# Altium PCB SmartHaloV1.PcbDoc (part 2 of 4)
Units mil, origin at the board's own origin, x right, y up, seen from the top; angles counter-clockwise.
Board outline 3022.28 x 2564.81 mil, 4 copper layers (Top Layer, Ground Plane, Power Plane, Bottom Layer), stack 59.692 mil thick; 370 components, 182 nets, 935 pads, 581 vias.
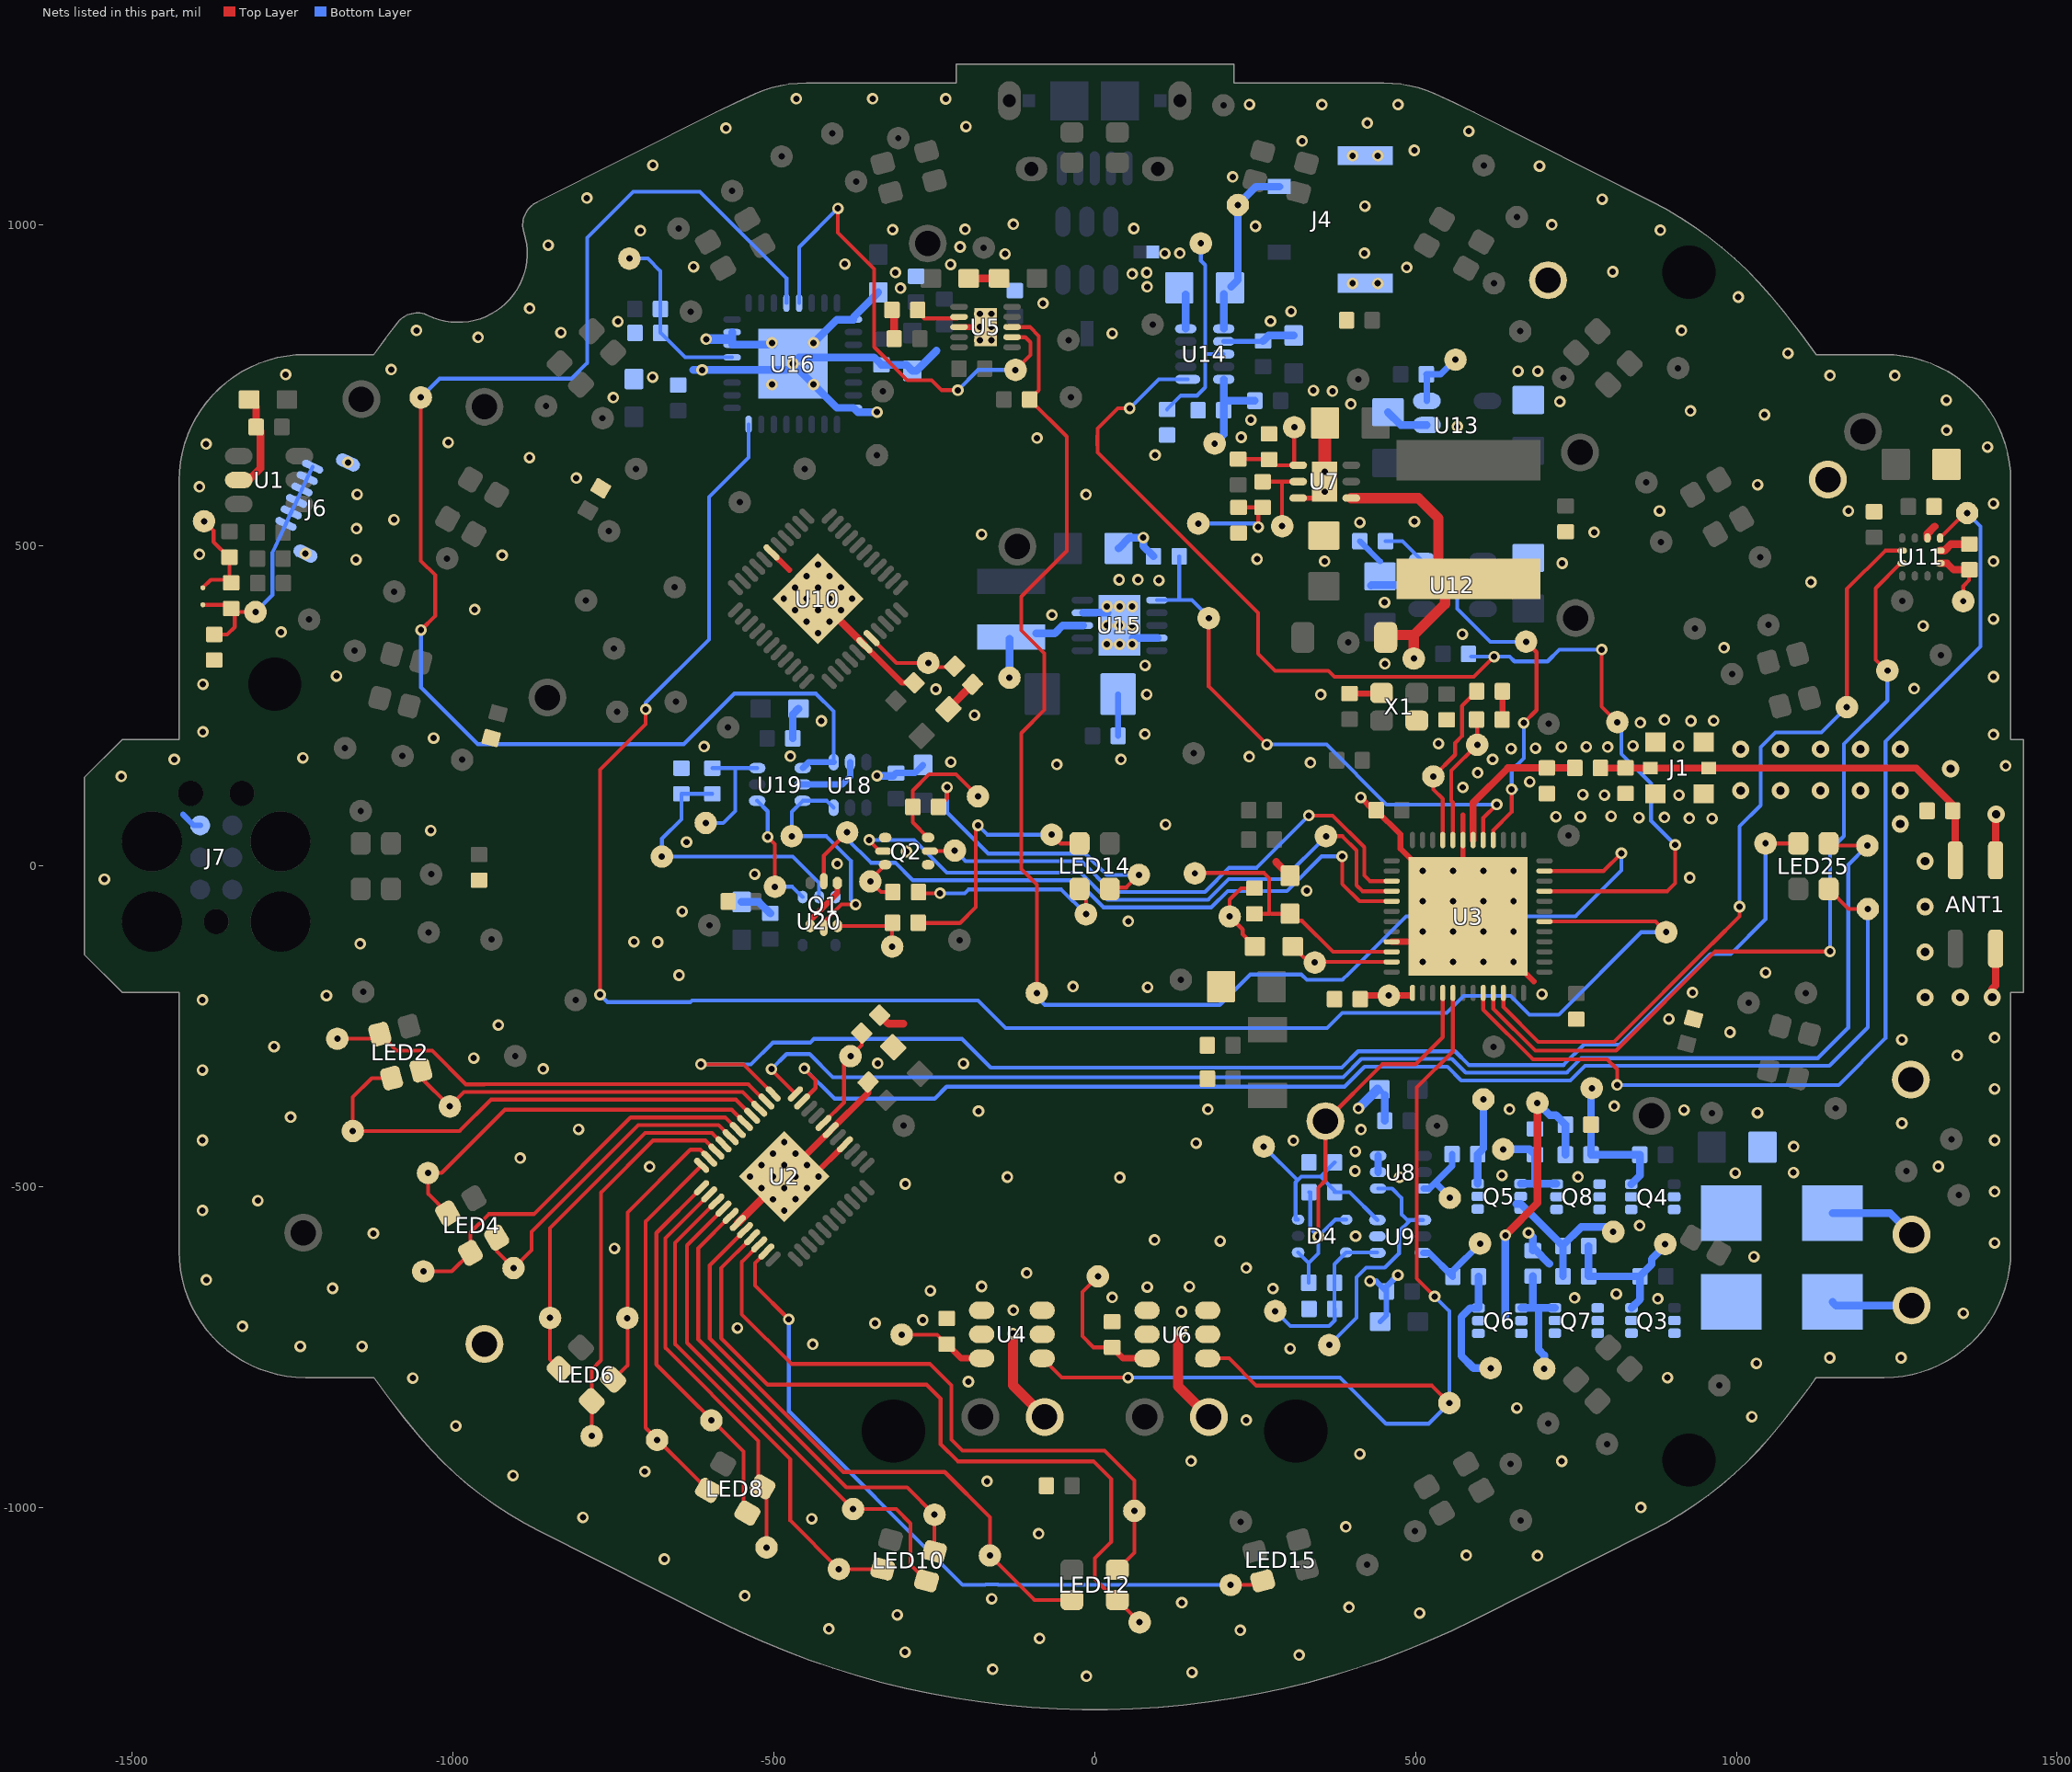
[diagram p4: the nets of this part, all layers, seen from the top]

## Footprints (in the part's own frame and the unit in brackets; to place one, negate y for a bottom-side part, rotate by r counter-clockwise, add the part's x,y. Pads: shape width x height; smd on the part's side, far side on the other; paste and mask are expansions set on the pad) (continued)
Varitron_CAP0603 [mil] "Capacitor 0603(1608), max 1mm height"
  rrect17% 32x29 smd: 1(-29.5,0) 2(29.5,0)
  body extent -33,-19 33,19, height 39
VARITRON_CAP0603 [mil] "Capacitor 0603(1608), max 1mm height"
  rrect17% 32x29 smd: 1(-29.5,0) 2(29.5,0)
  body extent -33,-19 33,19, height 39
VARITRON_CAP0805 [mil] "Capacitor 0805(2012), max 1mm height"
  rrect11% 44x49 smd: 1(-39.5,0) 2(39.5,0)
  body extent -43,-27 43,27, height 39
Varitron_CAP0805 [mil] "Capacitor 0805(2012), max 1mm height"
  rrect11% 44x49 smd: 1(-39.5,0) 2(39.5,0)
  body extent -43,-27 43,27, height 39
Varitron_CAP1206 [mil] "Capacitor 1206(3216), max 1mm height"
  rrect9% 55x65 smd: 1(-59,0) 2(59,0)
  body extent -66,-34 66,34, height 39
VARITRON_IND0402 [mil] "Inductor 0402(1005), max 1mm height"
  rrect21% 24x26 smd: 1(-20,0) 2(20,0)
  body extent -21,-11 21,11, height 39
VARITRON_IND0603 [mil] "Inductor 0603(1608), max 1mm height"
  rrect17% 32x29 smd: 1(-29.5,0) 2(29.5,0)
  body extent -33,-19 33,19, height 39
VARITRON_RES0402 [mil] "Resistor 0402(1005), max 1mm height"
  rrect21% 24x26 smd: 1(-20,0) 2(20,0)
  body extent -21,-11 21,11, height 39
Varitron_RES0402 [mil] "Resistor 0402(1005), max 1mm height"
  rrect21% 24x26 smd: 1(-20,0) 2(20,0)
  body extent -21,-11 21,11, height 39
Varitron_RES0805 [mil] "Resistor 0805(2012), max 1mm height"
  rrect11% 44x49 smd: 1(-39.5,0) 2(39.5,0)
  body extent -43,-27 43,27, height 39

## Part data
ANT1: "CHIP ANTENNA, 2.45GHz, 5 x 2 x 1.5 mm body"
C1 C5 C6 C7 C16 C17: library part Varitron_CAP0402, "C nF V TEMP TOL% 0402 (1005 Metric)  SMD"
C2 C15 C18 C29 C36 C40 C50 C57 C66 C68 C70: library part Varitron_CAP0603, "1.0 uF 16V X7R 10% 0603 (1608 Metric)  SMD"
C3 C8 C9 C10 C12 C21 C22 C25 C27 C33 C37 C38 C41 C42 C43 C45 C51 C55 C58 C59 C65 C67 C69: library part Varitron_CAP0402, "100 nF 16V X7R 10% 0402 (1005 Metric)  SMD"
C4: library part Varitron_CAP0402, "10.0 nF 25V X7R 5% 0402 (1005 Metric)  SMD"
C11: library part Varitron_CAP0402, "1.2 pF 50V NP0 ±0.1 pF 0402 (1005 Metric)  SMD"
C13: library part Varitron_CAP0402, "100 pF 50V NP0 5% 0402 (1005 Metric)  SMD"
C14 C19 C31 C32: library part Varitron_CAP0402, "12 pF 50V NP0 2% 0402 (1005 Metric)  SMD"
C20: library part Varitron_CAP0402, "0.8 pF 50V NP0 ±0.05pF 0402 (1005 Metric)  SMD"
C23 C26 C56 C60: library part Varitron_CAP0603, "4.7 uF 10V X5R 10% 0603 (1608 Metric)  SMD"
C24 C30 C34 C71: library part Varitron_CAP0805, "4.7 uF 50V X5R 10% 0805 (2012 Metric)  SMD"
C28: library part Varitron_CAP0402, "680 pF 50V X7R 5% 0402 (1005 Metric)  SMD"
C35 C39: library part Varitron_CAP0402, "1 nF 10V X7R 10% 0402 (1005 Metric)  SMD"
C44 C47 C48 C49 C52 C54: library part Varitron_CAP0805, "10 uF 10V X7R 10% 0805 (2012 Metric)  SMD"
C46 C61 C64: library part Varitron_CAP0402, "220 nF 10V X7R 10% 0402 (1005 Metric)  SMD"
C53: library part Varitron_CAP1206, "47 uF 10V X5R 10% 1206 (3216 Metric)  SMD"
C62 C63: library part Varitron_CAP0402, "220 pF 50V X7R 10% 0402 (1005 Metric)  SMD"
D1 D2: "Cree 5mm Round LED C503D-WAN-CDaEa232-0AH"
D3: "Schottky Power Rectifier, 2-Pin SOD-123, Pb-Free, Tape and Reel"
D4: "High Voltage Switching Diode"
J1: library part Coaxial-Internal-SW, "Coaxial Connector with Switch"
J2 J3: "Connector, Single Horizontal Contact, 2 x 2 mm"
J4: "Connector, 1.3 mm pitch"
J5: "Micro USB B Type Receptacle"
J6: "Connector, FPC, 0.5 mm pitch, 6 contacts"
J7: library part JLINK_6PIN_NEEDLE_ADAPTER, "JLink 6 Pin Needle Adapter for Flasher ARM Programmer"
L1: library part Varitron_IND0402, "3.9 nH ±0.1 nH, 170 mA, 0402 (1005 Metric)  SMD"
L2: library part Varitron_IND0402, "15 nH 5%, 320 mA, 0402 (1005 Metric)  SMD"
L3: library part Varitron_IND0603, "10 uH 20%, 400 mA, 0603 (1608 Metric)  SMD"
L4: library part SRN5020-100M, "Inductor, 10 uH, 20%, 144 mOhm DCR, 1.3A"
L5: library part SRN3015-2R2M, "Inductor, 2.2 uH, 20%, 72 mOhm DCR, 1.65A"
LED1 LED2 LED3 LED4 LED5 LED6 LED7 LED8 LED9 LED10 LED11 LED12 LED13 LED14 LED15 LED16 LED17 LED18 LED19 LED20 LED21 LED22 LED23 LED24 LED25: "LED SMD LTSN-N213EGBW"
Q1 Q2: "30 V, 200 mA dual N-channel Trench MOSFET"
Q3 Q4: "PNP SMT Transistor, Low VCESAT"
Q5 Q6 Q7 Q8: "NPN SMT Transistor, Low VCESAT"
R1: library part Varitron_RES0402, "2k 0.063W 5%  0402 (1005 Metric)  SMD"
R2 R23: library part Varitron_RES0402, "3k9 0.063W 5%  0402 (1005 Metric)  SMD"
R3 R12: library part Varitron_RES0402, "100R 0.1W 5%  0402 (1005 Metric)  SMD"
R4 R6 R17 R26 R28 R29 R30 R31: library part Varitron_RES0402, "100k 0.063W 5%  0402 (1005 Metric)  SMD"
R5 R21 R22 R25 R42 R43: library part Varitron_RES0402, "3k3 0.063W 5%  0402 (1005 Metric)  SMD"
R7: library part Varitron_RES0402, "160R 0.1W 5%  0402 (1005 Metric)  SMD"
R8: library part Varitron_RES0402, "560R 0.063W 5%  0402 (1005 Metric)  SMD"
R9 R34 R38: library part Varitron_RES0402, "1k 0.063W 5%  0402 (1005 Metric)  SMD"
R10 R13 R19 R32 R40 R41: library part Varitron_RES0402, "10k 0.063W 5%  0402 (1005 Metric)  SMD"
R11 R14: library part Varitron_RES0402, "110R 0.1W 5%  0402 (1005 Metric)  SMD"
R15: library part Varitron_RES0402, "510k 0.063W 5%  0402 (1005 Metric)  SMD"
R16 R20: library part Varitron_RES0402, "4k7 0.063W 5%  0402 (1005 Metric)  SMD"
R18: library part Varitron_RES0402, "33k 0.063W 5%  0402 (1005 Metric)  SMD"
R24 R27: library part Varitron_RES0402, "1k8 0.063W 5%  0402 (1005 Metric)  SMD"
R33 R36 R37 R39: library part Varitron_RES0402, "12k 0.063W 5%  0402 (1005 Metric)  SMD"
R35: library part Varitron_RES0402, "75k 0.063W 5%  0402 (1005 Metric)  SMD"
RSENSE1: library part Varitron_RES0805, "0R01 0.25W 1%  0805 (2012 Metric)  SMD"
RT1: "Thermistor NTC 0402, R0 10k, 1%, B 3490, SMD"
SB1: library part SOLDERBRIDGE_SHORTED, "Shorted Solderbridge"
TP1 TP4 TP12 TP13 TP14 TP15 TP17 TP20: library part TESTPAD_TH_35mils, "Testpoint, through hole, 35 mils"
TP2 TP3 TP5 TP6 TP7 TP8 TP9 TP10 TP11 TP16 TP18 TP19: library part TESTPAD_TH_1_5MM, "Testpoint, through hole, 1.5mm"
TP21 TP100 TP125 TP139 TP140: "Testpoint, through hole, 1.5mm"
TP22 TP23 TP24 TP25 TP26 TP27 TP28 TP29 TP30 TP31 TP32 TP33 TP34 TP35 TP36 TP37 TP38 TP39 TP40 TP41 TP42 TP43 TP44 TP45 TP46 TP47 TP48 TP49 TP50 TP51 TP52 TP53 TP54 TP55 TP56 TP57 TP58 TP59 TP60 TP61 TP62 TP63 TP64 TP65 TP66 TP67 TP68 TP69 TP70 TP71 TP72 TP73 TP74 TP75 TP76 TP77 TP78 TP79 TP80 TP81 TP82 TP83 TP84 TP85 TP86 TP87 TP88 TP89 TP90 TP91 TP92 TP93 TP94 TP95 TP96 TP97 TP98 TP99 TP101 TP102 TP103 TP104 TP105 TP106 TP107 TP108 TP109 TP110 TP111 TP112 TP113 TP114 TP115 TP116 TP117 TP118 TP119 TP120 TP121 TP122 TP123 TP124 TP126 TP127 TP128 TP129 TP130 TP131 TP132 TP133 TP134 TP135 TP136 TP137 TP138 TP141 TP142 TP143 TP144 TP145 TP146 TP147 TP148 TP149 TP150 TP151 TP152 TP153 TP154 TP155 TP156 TP157 TP158 TP159 TP160 TP161 TP162 TP163 TP164 TP165 TP166 TP167 TP168 TP169 TP170 TP171 TP172 TP173 TP174 TP175 TP176 TP177 TP178 TP179: "Testpoint, through hole, 35 mils"
U1: "One-channel Touch Sensor IC with Reset Timer, -40° to +85° C, 6-pin SOT23"
U2 U10: "IC 36 CHANNELS LED DRIVER"
U3: library part nRF52832_QFAA, "Multi-protocol Bluetooth Low Energy and 2.4GHz proprietary system-on-chip"
U4 U6: "10-TO-150MA CONSTANT-CURRENT LED DRIVER"
U5: "800 mA, Single-Input, Single Cell Li-Ion Battery Charger with Auto Start. Vovp=6.6 V, 3.5 V, -40 to 85 degC, 10-pin SON (DSQ), Green (RoHS & no Sb/Br)"
U7: "Boost Voltage Converter with 3 to 18 V Input and 3 to 38 V Output, -40 to 85 degC, 6-Pin SON (DRC), Green (RoHS & no Sb/Br)"
U8 U18 U19: "Dual Inverter Gate"
U9: "IC Dual Inverter with Schmitt Trigger Inputs"
U11: "IC 3D Accelerometer and 3D Magnetometer, LGA-12, 2 x 2 x 1 mm"
U12 U13: "200 mA Low Dropout Regulator, 2 - 5.5V Input, Fixed 2.8V Output"
U14: "IC Battery Fuel Gauge for 1-Cell Lithium-ion (Li+)"
U15: "Boost Voltage Converter with 0.3 to 5.5 V Input and 5 V Output, -40 to 85 degC, 10-Pin SON (DRC), Green (RoHS & no Sb/Br)"
U16: "IC USB TO UART BRIDGE 32QFN"
U17: "Very low capacitance ESD protection"
U20: "IC Gate NAND 1 Channel"
X1: "XTAL 32 MHz, 8pF, 3.2 x 1.5 mm, ±20 ppm Tol, ±200 ppm Drift"
X2: "XTAL 32.768 kHz, 9pF, 3.2 x 1.5 mm, ±20 ppm Tol, ±200 ppm Drift"

## Free pads (board coordinates)
  round 0 hole 82.68 unplated paste+0 mask+0: 0(-1277.49,283.53) 0(926.06,-925.55) 0(926.06,925.75)
  round 0 hole 98.43 square unplated: 0(-313.58,-880.31) 0(313.58,-880.24)

## Via types
v1: diameter 18, hole 10, Top Layer to Bottom Layer, 557 vias
v2: diameter 27, hole 13, Top Layer to Bottom Layer, 24 vias

## Nets (pads, with @x,y where several pads share a name; then routed paths per layer and width w, separated by ;. In a path a pad name is that pad's centre, name@x,y a point inside that pad or via, vN(x,y) a via of type N, cw(c..) or ccw(c..) an arc to the next point about the centre after c; other vN are vias at no path point)
ALARMB: R30.1 TP163.1 U3.21 U14.1 | length 1866.8
  Top Layer w6: v1(54.7,713.6) 36.3,713.6 4.7,682 4.7,671.06 4.4,670.76 4.4,655.84 4.7,655.54 4.7,644.7 254.6,394.8 254.6,331.2 281.2,304.6 364.1,304.6 373.8,294.9 590.8,294.9 v1(622.4,326.5) ; U3.21@700.99,-39.03 892.37,-39.03 904.7,-26.7 v1(904.7,33.2) ; v1@791.1,333.8 794.8,337.5 v1(790.1,337.5) 790.1,248.8 TP163.1@814.5,224.4
  Bottom Layer w6: v1(54.7,713.6) 99.86,758.76 U14.1@145,758.76 ; R30.1@586.9,326.5 v1(622.4,326.5) 646.9,326.5 654.2,319.2 705.8,319.2 724.1,337.5 v1(790.1,337.5) ; TP163.1@814.5,224.4 820.8,218.1 820.8,175 867.1,128.7 867.1,70.8 v1(904.7,33.2)
ANT: ANT1.1 C11.2 C17.2 J1.1 J1.3 L1.2 | length 660.7
  Top Layer w11.21: L1.2@788.3,153 J1.1@865.73,153 J1.3@957.07,153 ; J1.3@957.07,152.8 1280.08,152.8 1341.1,91.78 ANT1.1@1341.1,9.2
B\C\D\0\: Q1.2 TP114.1 U18.6 U19.3 | length 363.8
  Top Layer w6: Q1.2@-422.1,-96.12 -422.1,-87.4 -394.4,-59.7 v1(-372.6,-59.7)
  Bottom Layer w6: U18.6@-406.63,91.2 -417.33,101.9 U19.3@-454.9,101.9 -472,84.8 TP114.1@-472,46.7 -418.1,46.7 -379.9,8.5 -379.9,-52.4 v1(-372.6,-59.7)
BCD0: TP86.1 U16.12 U18.1 U19.1 | length 2237.2
  Top Layer w6: TP86.1@-1050.1,730.5 -1050.1,475.9 -1027.5,453.3 -1027.5,390.2 v1(-1049.8,367.9)
  Bottom Layer w6: TP86.1@-1050.1,730.5 -1020.7,759.9 -815.4,759.9 -790.98,784.32 -790.98,979.42 -719.1,1051.3 -615.2,1051.3 -480.24,916.34 U16.12@-480.24,877.59 ; v1(-1049.8,367.9) -1049.8,278.7 -961.3,190.2 -640.1,190.2 -561.3,269 -434.4,269 -406.63,241.23 U18.1@-406.63,162.2
  Bottom Layer w10: U19.1@-454.9,152.9 -445.6,162.2 U18.1@-406.63,162.2
BCD1: TP148.1 U5.7 U16.13 | length 757.7
  Top Layer w6: v1(-400.1,1025.2) -400.1,987.3 -343.5,930.7 -343.5,809.2 -291.8,757.5 -254.03,757.5 -238.33,741.8 v1(-213.2,741.8) ; U5.7@-128.66,824.45 -108.15,824.45 -100.2,816.5 -100.2,796.6 TP148.1@-123.4,773.4
  Bottom Layer w6: U16.13@-460.56,877.59 -460.56,964.74 v1(-400.1,1025.2) ; v1(-213.2,741.8) -181.6,773.4 -138.2,773.4 TP148.1@-127.7,783.9
BUS_DETECT: R36.1 R37.1 TP151.1 U16.5 | length 280.2
  Bottom Layer w6: TP151.1@-725,947 -696.3,947 -676.7,927.4 R36.1@-676.7,868.3 -676.7,831.4 R37.1@-676.3,831 -638.24,792.94 U16.5@-564.89,792.94
BZ_OUT_N: J2.1 Q3.1 Q3.2 Q3.5 Q3.6 Q7.1 Q7.2 Q7.5 Q7.6 TP140.1 | length 125.6
  Bottom Layer w12: J2.1@1149.84,-679.2 1155.54,-684.9 TP140.1@1273.1,-684.9
BZ_OUT_P: J3.1 Q4.1 Q4.2 Q4.5 Q4.6 Q8.1 Q8.2 Q8.5 Q8.6 TP139.1 | length 137
  Bottom Layer w12: J3.1@1149.84,-541 1239.9,-541 TP139.1@1273.1,-574.2
BZR: D4.1 D4.4 R24.2 R27.2 TP125.1 U3.4 | length 722.5
  Top Layer w6: v1(348.6,-577.2) 348.6,-501 359.7,-489.9 TP125.1@359.7,-397.4 448.4,-308.7 500.1,-308.7 542.53,-266.27 U3.4@542.53,-197.49
  Bottom Layer w6: D4.1@317.11,-602.04 333.62,-618.55 ; R27.2@333.62,-649.26 333.62,-618.55 ; R24.2@334.1,-508 335.95,-508 335.95,-564.55 v1(348.6,-577.2) ; D4.4@391.91,-550.85 374.94,-550.85 v1(348.6,-577.2) ; 333.62,-618.55 348.6,-603.58 v1(348.6,-577.2)
BZR_D_N: R40.2 TP130.1 U8.6 | length 110.1
  Bottom Layer w6: TP130.1@553.5,-516.9 TP130.1@553.5,-515.63
  Bottom Layer w10: U8.6@512.81,-502.37 521.63,-502.37 557,-467 R40.2@557,-448.9 ; 530.93,-493.07 TP130.1@553.5,-515.63
BZR_D_P: R41.2 TP128.1 U9.6 | length 131
  Bottom Layer w10: U9.6@511.65,-602.52 521.02,-602.52 R41.2@558.2,-639.7 558.2,-630.6 TP128.1@600.6,-588.2
C\H\G\: R13.2 TP150.1 U3.23 U5.8 | length 2347
  Top Layer w6: U5.8@-128.66,840.2 -100.9,840.2 -87,826.3 -87,741.8 R13.2@-101.4,727.4 -43.6,669.6 -43.6,491.1 -114.5,420.2 -114.5,367.6 -78.4,331.5 -78.4,243.4 -114.5,207.3 -114.5,-4.3 -90.1,-28.7 TP150.1@-90.1,-197.8 ; U3.23@700.99,-7.53 793.17,-7.53 v1(820.8,20.1)
  Bottom Layer w6: TP150.1@-96,-197.8 -77.6,-216.2 194.93,-216.2 242.33,-168.8 322.23,-168.8 330.63,-177.2 386.14,-177.2 396.46,-166.88 396.69,-166.88 485.47,-78.1 749.39,-78.1 820.8,-6.69 v1(820.8,20.1)
CAPIN: C1.1 C7.1 J6.1 J6.2 J6.3 J6.4 J6.5 J6.6 SB1.2 TP104.1 | length 390.4
  Top Layer w6: SB1.2@-1389.8,407.3 C1.1@-1351.4,407.3 ; C7.1@-1372.1,361.1 -1351.7,361.1 -1339.9,372.9 -1339.9,395.8 C1.1@-1340.2,396.1 ; C1.1@-1345.6,401.5 C1.1@-1340.2,396.1 ; TP104.1@-1307.7,396.1 C1.1@-1340.2,396.1
  Bottom Layer w6: TP104.1@-1307.7,396.1 -1281.2,422.6 -1281.2,488.73 J6.6@-1260.33,533.51 J6.5@-1252.01,551.35 J6.4@-1243.69,569.19 J6.3@-1235.37,587.03 -1227.05,604.86 J6.1@-1218.73,622.71
CATHODE_B: LED14.4 R14.2 TP99.1 | length 468.5
  Top Layer w6: R14.2@-243.3,92.2 -230,105.5 v1(-230,123.1) ; LED14.4@25.3,-37.11 29.11,-33.3 49.3,-33.3 TP99.1@69,-13.6
  Bottom Layer w6: v1(-230,123.1) -230,83.7 -165.9,19.6 -14.5,19.6 18.7,-13.6 TP99.1@69,-13.6
CATHODE_G: LED14.3 R11.2 TP105.1 | length 327.5
  Top Layer w6: R11.2@-274.6,-40.4 -276.4,-42.2 v1(-241,-42.2) ; LED14.3@-23.62,-35.43 -13.5,-45.56 TP105.1@-13.5,-74.9
  Bottom Layer w6: v1(-241,-42.2) -202.5,-42.2 -196.7,-36.4 -52,-36.4 TP105.1@-13.5,-74.9
CATHODE_R: LED14.2 R7.2 TP106.1 | length 399.2
  Top Layer w6: R7.2@-275,-88.2 -274.5,-88.7 -210,-88.7 -185.1,-63.8 -185.1,60.4 v1(-181.8,63.7) ; TP106.1@-67,49.1 -53.33,35.43 LED14.2@-23.62,35.43
  Bottom Layer w6: v1(-181.8,63.7) -167.2,49.1 TP106.1@-67,49.1
CENTRAL_B: Q2.2 TP109.1 U3.40 | length 990.7
  Top Layer w6: v1(-351.4,40.8) -351.4,40 -334.8,23.4 Q2.2@-329.42,23.4 ; TP109.1@360.5,46.7 386.12,46.7 408.2,24.62 408.2,-29.8 417.43,-39.03 U3.40@462.81,-39.03
  Bottom Layer w6: v1(-351.4,40.8) -281.2,40.8 -230.4,-10 -22.1,-10 20.1,-52.2 176.87,-52.2 208.97,-20.1 293.7,-20.1 TP109.1@360.5,46.7
CENTRAL_G: Q2.5 TP107.1 U3.39 | length 863.8
  Top Layer w6: Q2.5@-256.58,23.4 -218.9,23.4 TP107.1@-218,24.3 ; v1(333.8,78.8) 370.99,78.8 420.2,29.59 420.2,-14.5 428.98,-23.28 U3.39@462.81,-23.28
  Bottom Layer w6: TP107.1@-218,24.3 -201.3,7.6 -20.5,7.6 27.2,-40.1 172,-40.1 209.6,-2.5 252.5,-2.5 v1(333.8,78.8)
CENTRAL_R: Q1.5 TP108.1 U3.41 | length 1081.1
  Top Layer w6: Q1.5@-422.1,-23.28 -422.1,16.2 TP108.1@-385.7,52.6 ; v1(385.7,15.3) 385.7,-27.8 412.68,-54.78 U3.41@462.81,-54.78
  Bottom Layer w6: TP108.1@-385.7,52.6 -385.7,42.3 -348.8,5.4 -310.8,5.4 -283.4,-22 -28.5,-22 13.7,-64.2 181.84,-64.2 207.24,-38.8 299.6,-38.8 353.7,15.3 v1(385.7,15.3)
CTS: TP147.1 U3.18 U16.32 | length 2952.9
  Top Layer w6: v1(-770.7,-200.3) -770.7,150.2 -699.6,221.3 v1(-699.6,244.4) ; U3.18@700.99,-86.27 874.07,-86.27 TP147.1@890.7,-102.9
  Bottom Layer w6: v1(-770.7,-200.3) -759.1,-211.9 -630.1,-211.9 -627.4,-209.2 -181.75,-209.2 -138.75,-252.2 362.05,-252.2 385.75,-228.5 548.3,-228.5 574.8,-202 647.86,-202 677.46,-231.6 723.13,-231.6 851.83,-102.9 TP147.1@890.7,-102.9 ; v1(-699.6,244.4) -699.6,254.6 -601.1,353.1 -601.1,575.17 -539.3,636.97 U16.32@-539.3,688.61
DEC1: C27.1 TP167.1 U3.1 | length 71.7
  Top Layer w10: C27.1@419.3,-201.8 TP167.1@458.4,-201.8 490.98,-201.8
DEC2: C16.1 TP165.1 U3.32 | length 204.3
  Top Layer w6: U3.32@558.28,40.69 558.28,99.72 555.9,102.1 555.9,148.8 TP165.1@596.2,189.1 C16.1@596.2,227.3
DEC3: C13.1 TP164.1 U3.33 | length 266
  Top Layer w6: U3.33@542.53,40.69 542.53,104.87 527.8,119.6 TP164.1@527.8,139.8 561.7,173.7 561.7,192.1 572.4,202.8 572.4,249.6 C13.1@595.4,272.6
DEC4: C18.1 L2.1 TP158.1 U3.46 | length 409.8
  Top Layer w6: TP158.1@156.2,-11.2 156.8,-10.6 263.99,-10.6 272.1,-18.71 272.1,-74.3 L2.1@249.1,-74.3 ; 275.6,-74.3 293.5,-74.3 304.3,-85.1 323.2,-85.1 371.62,-133.52 U3.46@462.81,-133.52
EN_2_8V: R29.2 TP162.1 U3.28 U12.3 | length 684.1
  Top Layer w6: U3.28@621.27,40.69 621.27,55.87 649.8,84.4 v1(649.8,119.7) ; v1(668.8,223.4) 688.6,243.2 688.6,333.5 TP162.1@672.3,349.8
  Bottom Layer w6: R29.2@453.2,506.5 479.78,506.5 U12.3@510.56,475.72 542.98,475.72 564.9,453.8 564.9,401.38 616.48,349.8 TP162.1@672.3,349.8 ; v1(649.8,119.7) 657.3,119.7 649.8,112.2 649.8,149.4 668.8,168.4 v1(668.8,223.4)